# KiCad board GPDI_ULX3S_panel.kicad_pcb (continued)
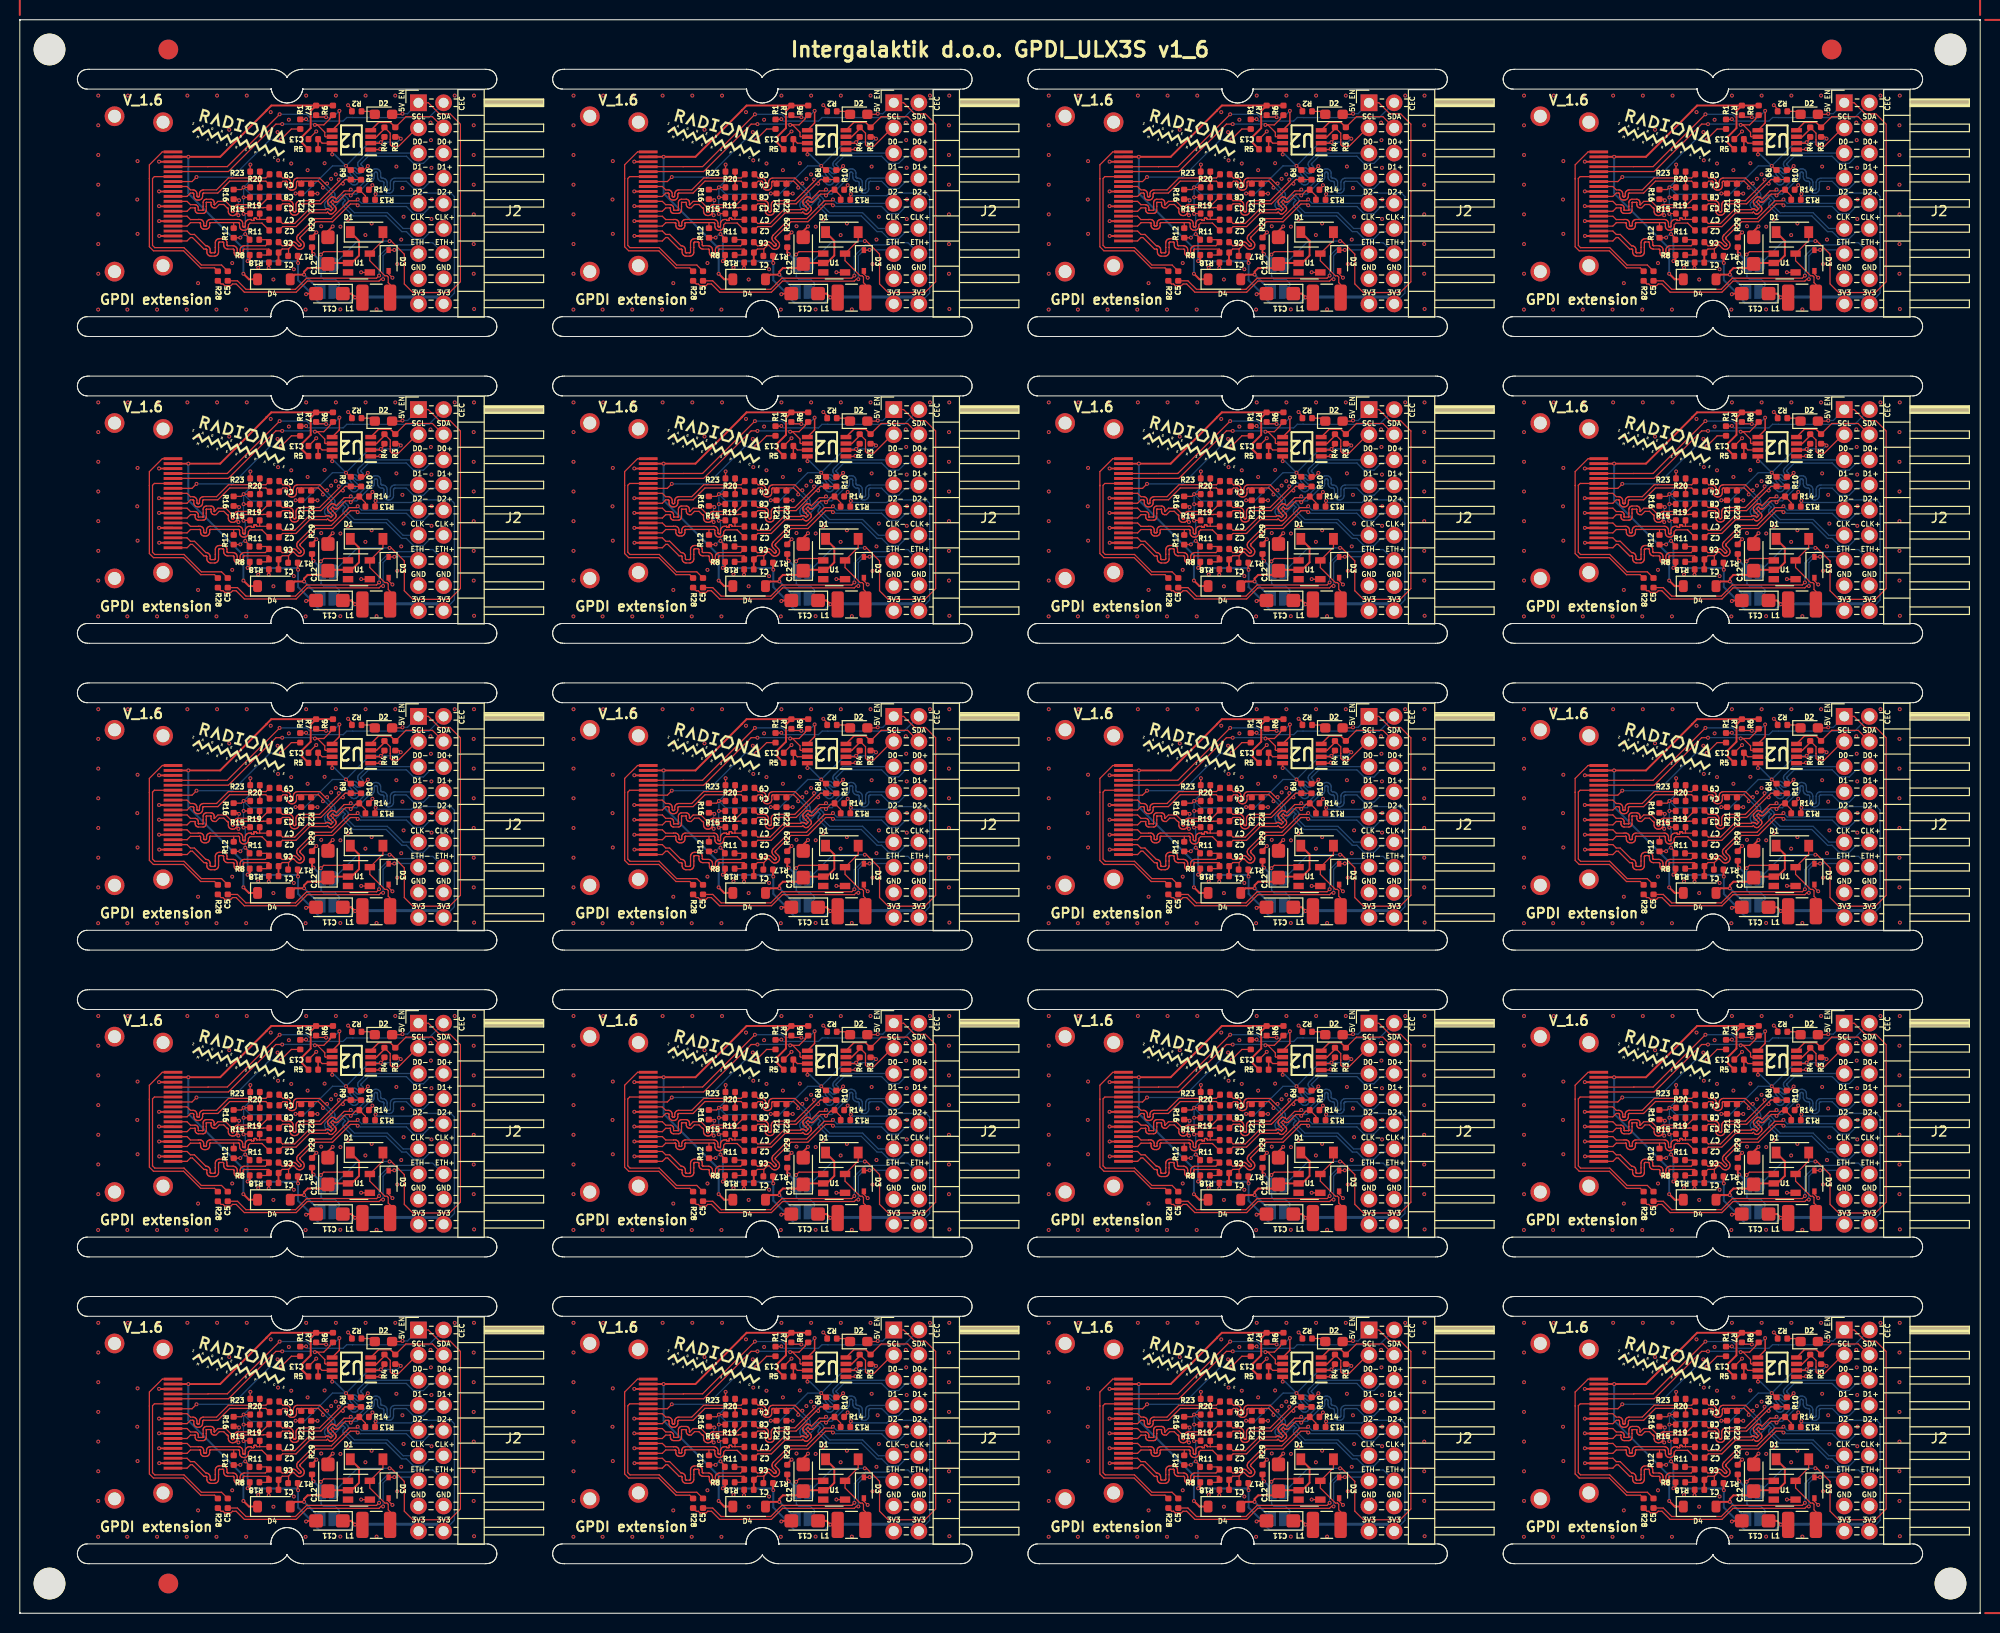
[diagram p0: board, top side]
## Routing (per net, layer and track width the routed paths; a pad name or vN(x,y) marks a point on that pad's centre or on a via; arc(x,y) is an arc through that point) (continued)
Board_7-GPDI_D0+: length 26.3
  Top w0.127: R10#19.1 178.46,113.85 R9#6.2 176.86,113.85 176.63,113.63 v1(176.63,113.44) 176.44,113.44 174.4,111.4 172.35,111.4 172.32,111.4 172.29,111.39 172.26,111.37 172.24,111.35 172.23,111.32 172.22,111.29 172.21,111.26 172.21,110.69 172.2,110.59 172.17,110.5 172.12,110.42 172.05,110.35 171.97,110.3 171.88,110.27 171.78,110.26 171.73,110.26 171.63,110.27 171.54,110.3 171.46,110.35 171.39,110.42 171.34,110.5 171.3,110.59 171.29,110.69 171.29,111.26 171.29,111.29 171.28,111.32 171.26,111.35 171.24,111.37 171.21,111.39 171.18,111.4 171.15,111.4 170.53,111.4 C3.1
  Bottom w0.127: v1(176.63,113.44) 176.63,113.63 176.85,113.85 176.87,113.87 176.9,113.88 176.93,113.89 176.96,113.89 176.99,113.88 177.02,113.87 177.05,113.85 177.46,113.43 177.54,113.37 177.62,113.33 177.72,113.31 177.82,113.31 177.91,113.33 178,113.37 178.07,113.43 178.11,113.47 178.17,113.55 178.21,113.63 178.24,113.73 178.24,113.83 178.21,113.92 178.17,114.01 178.11,114.08 177.7,114.5 177.68,114.52 177.66,114.55 177.66,114.58 177.66,114.61 177.66,114.64 177.68,114.67 177.7,114.7 177.71,114.71 177.73,114.72 177.75,114.72 177.77,114.72 177.79,114.72 177.81,114.71 177.82,114.7 177.95,114.57 178.02,114.51 178.1,114.48 178.18,114.46 178.27,114.46 178.35,114.48 178.43,114.51 178.5,114.57 178.6,114.67 178.66,114.74 178.7,114.82 178.71,114.9 178.71,114.99 178.7,115.07 178.66,115.15 178.6,115.22 178.47,115.35 178.46,115.36 178.45,115.38 178.45,115.4 178.45,115.42 178.45,115.44 178.46,115.46 178.47,115.47 179.22,116.22 183.04,116.22 183.76,115.49 184.76,115.49 185.48,116.22 186.48,116.22 J2#17.6
Board_7-GPDI_D0-: length 20.9
  Top w0.127: C8#9.1 170.53,111.72 171.18,111.72 171.28,111.71 171.37,111.68 171.45,111.63 171.52,111.56 171.57,111.48 171.6,111.39 171.61,111.29 171.61,110.72 171.62,110.69 171.63,110.66 171.64,110.63 171.66,110.61 171.69,110.59 171.72,110.58 171.75,110.58 171.78,110.58 171.81,110.59 171.84,110.61 171.86,110.63 171.88,110.66 171.89,110.69 171.89,110.72 171.89,111.29 171.9,111.39 171.94,111.48 171.99,111.56 172.06,111.63 172.14,111.68 172.23,111.71 172.33,111.72 174.27,111.72 176.22,113.67 v1(176.22,113.86)
  Bottom w0.127: v1(176.22,113.86) 176.41,113.86 176.64,114.09 176.72,114.15 176.8,114.19 176.9,114.22 177,114.22 177.09,114.19 177.18,114.15 177.25,114.09 177.67,113.68 177.69,113.66 177.72,113.64 177.75,113.64 177.78,113.64 177.81,113.64 177.84,113.66 177.87,113.68 177.89,113.7 177.9,113.73 177.91,113.76 177.91,113.79 177.9,113.82 177.89,113.85 177.87,113.88 177.45,114.29 177.39,114.37 177.35,114.45 177.33,114.55 177.33,114.65 177.35,114.74 177.39,114.83 177.45,114.9 177.49,114.94 177.56,114.99 177.63,115.03 177.72,115.05 177.8,115.05 177.89,115.03 177.97,114.99 178.03,114.94 178.16,114.81 178.18,114.8 178.2,114.79 178.22,114.78 178.24,114.78 178.26,114.79 178.28,114.8 178.29,114.81 178.36,114.88 178.37,114.9 178.38,114.91 178.39,114.93 178.39,114.95 178.38,114.97 178.37,114.99 178.36,115.01 178.23,115.14 178.18,115.21 178.14,115.28 178.12,115.37 178.12,115.45 178.14,115.54 178.18,115.62 178.23,115.68 179.08,116.53 J2#17.5
Board_7-GPDI_D1+: length 26.6
  Top w0.127: C2#5.1 170.54,109.1 171.9,109.1 173.29,110.49 174.99,110.49 175.08,110.58 175.21,110.46 175.26,110.42 175.32,110.39 175.39,110.37 175.46,110.37 175.52,110.39 175.58,110.42 175.63,110.46 175.86,110.68 175.9,110.74 175.93,110.8 175.95,110.86 175.95,110.93 175.93,110.99 175.9,111.06 175.86,111.11 175.62,111.35 175.63,111.36 175.41,111.58 175.61,111.78 175.73,111.66 175.78,111.61 175.85,111.59 175.91,111.57 175.98,111.57 176.04,111.59 176.1,111.61 176.16,111.66 176.89,112.39 177.29,112.39 v1(177.42,112.25) 177.91,112.74 178.19,112.74 R14#17.1 178.91,112.21 R13#13.2
  Bottom w0.127: 186.8,114 186.48,113.68 185.48,113.68 184.76,112.95 183.76,112.95 183.04,113.68 181.91,113.68 181.87,113.67 181.84,113.66 181.81,113.64 181.78,113.61 181.76,113.58 181.75,113.55 181.75,113.51 181.75,112.94 181.73,112.84 181.7,112.74 181.65,112.65 181.57,112.58 181.49,112.53 181.39,112.49 181.29,112.48 181.23,112.48 181.13,112.49 181.03,112.53 180.95,112.58 180.88,112.65 180.82,112.74 180.79,112.84 180.78,112.94 180.78,113.51 180.77,113.55 180.76,113.58 180.74,113.61 180.71,113.64 180.68,113.66 180.65,113.67 180.61,113.68 180.58,113.68 180.48,113.69 180.38,113.72 180.3,113.78 180.23,113.85 180.17,113.93 180.14,114.03 180.13,114.13 180.13,114.45 180.12,114.49 180.11,114.53 180.09,114.56 180.06,114.58 180.03,114.6 180,114.62 179.96,114.62 179.92,114.62 179.89,114.6 179.86,114.58 179.83,114.56 179.81,114.53 179.8,114.49 179.8,114.45 179.8,114.13 179.78,114.03 179.75,113.93 179.7,113.85 179.62,113.78 179.54,113.72 179.44,113.69 179.34,113.68 179.31,113.68 178.03,112.39 177.56,112.39 v1(177.42,112.25)
Board_7-GPDI_D1-: length 21
  Top w0.127: C7#3.1 170.54,109.42 171.77,109.42 173.16,110.81 174.86,110.81 174.87,110.82 174.92,110.86 174.98,110.89 175.05,110.91 175.12,110.91 175.18,110.89 175.24,110.86 175.3,110.82 175.42,110.7 175.62,110.9 175.4,111.12 175.41,111.13 175.17,111.37 175.13,111.42 175.1,111.48 175.08,111.55 175.08,111.62 175.1,111.68 175.13,111.74 175.17,111.79 175.39,112.02 175.45,112.06 175.51,112.09 175.57,112.11 175.64,112.11 175.71,112.09 175.77,112.06 175.82,112.02 175.94,111.89 176.76,112.71 177.29,112.71 v1(177.42,112.85)
  Bottom w0.127: 184.26,114 181.88,114 181.78,113.98 181.68,113.95 181.6,113.9 181.53,113.82 181.47,113.74 181.44,113.64 181.43,113.54 181.43,112.97 181.42,112.93 181.41,112.89 181.39,112.86 181.36,112.84 181.33,112.82 181.3,112.8 181.26,112.8 181.22,112.8 181.19,112.82 181.16,112.84 181.13,112.86 181.11,112.89 181.1,112.93 181.1,112.97 181.1,113.54 181.08,113.64 181.05,113.74 181,113.82 180.92,113.9 180.84,113.95 180.74,113.98 180.64,114 180.61,114 180.57,114 180.54,114.01 180.51,114.03 180.48,114.06 180.46,114.09 180.45,114.12 180.45,114.16 180.45,114.48 180.43,114.58 180.4,114.68 180.35,114.77 180.27,114.84 180.19,114.89 180.09,114.93 179.99,114.94 179.93,114.94 179.83,114.93 179.73,114.89 179.65,114.84 179.58,114.77 179.52,114.68 179.49,114.58 179.48,114.48 179.48,114.16 179.47,114.12 179.46,114.09 179.44,114.06 179.41,114.03 179.38,114.01 179.35,114 179.31,114 179.18,114 177.89,112.71 177.56,112.71 v1(177.42,112.85)
Board_7-GPDI_D2+: length 22.7
  Top w0.127: 171.14,106.84 170.5,106.84 C1#20.1 ; 171.14,106.84 171.14,106.19 R17#18.2 ; 171.14,106.84 171.49,107.19 171.51,107.21 171.54,107.22 171.57,107.23 171.6,107.23 171.63,107.22 171.66,107.21 171.69,107.19 171.95,106.92 172.03,106.86 172.12,106.82 172.21,106.79 172.31,106.79 172.4,106.82 172.49,106.86 172.57,106.92 172.6,106.96 172.67,107.03 172.71,107.12 172.73,107.21 172.73,107.31 172.71,107.41 172.67,107.49 172.6,107.57 172.34,107.84 172.32,107.86 172.3,107.89 172.3,107.92 172.3,107.95 172.3,107.98 172.32,108.01 172.34,108.04 173.89,109.59 175.59,109.59 177.39,111.39 177.99,111.39 v1(178.12,111.25)
  Top w0.2: R18#4.1 170.13,106.47 C1#20.1
  Bottom w0.127: J2#17.10 186.48,111.14 185.48,111.14 184.76,110.41 183.76,110.41 183.04,111.14 178.38,111.14 178.27,111.25 v1(178.12,111.25)
Board_7-GPDI_D2-: length 17.8
  Top w0.127: v1(178.12,111.85) 177.99,111.71 177.26,111.71 175.46,109.91 173.76,109.91 172.09,108.24 172.03,108.17 171.99,108.08 171.97,107.98 171.97,107.89 171.99,107.79 172.03,107.71 172.09,107.63 172.36,107.36 172.38,107.34 172.39,107.31 172.4,107.28 172.4,107.25 172.39,107.22 172.38,107.19 172.36,107.16 172.34,107.14 172.31,107.13 172.28,107.12 172.25,107.12 172.21,107.13 172.19,107.14 172.16,107.16 171.89,107.43 171.82,107.49 171.73,107.53 171.64,107.56 171.54,107.56 171.44,107.53 171.36,107.49 171.28,107.43 171.01,107.16 170.5,107.16 C6#12.1
  Bottom w0.127: v1(178.12,111.85) 178.52,111.45 J2#17.9
Board_7-GPDI_ETH+: length 25.7
  Top w0.127: C5#11.1 165.98,103.62 166.84,102.77 171.84,102.77 172.97,103.89 180.03,103.89 v1(180.29,104.15)
  Bottom w0.127: v1(180.29,104.15) 180.29,106.13 181.41,107.25 183.65,107.25 183.87,107.47 185.71,107.47 J2#17.14
Board_7-GPDI_ETH-: length 24.8
  Top w0.127: v1(181.82,106.75) 181.8,106.72 D3#2.1 ; v1(180.69,103.79) 180.48,103.79 180.29,103.6 173.03,103.6 171.91,102.48 166.68,102.48 165.85,103.31 165.48,103.31 165.31,103.14 164.69,103.14 164.52,103.31 164.32,103.31 R28#10.2
  Bottom w0.127: v1(180.69,103.79) 180.69,103.79 180.69,106.16 181.27,106.75 v1(181.82,106.75) 183.89,106.75 J2#17.13
Board_7-GPDI_SCL: length 21.1
  Top w0.127: U2#7.6 174.87,118.18 174.8,118.25 174.8,118.63 174.05,119.38 v1(173.8,119.38) 174.7,119.38 175.32,120 175.32,120.06 R6#8.2 ; v1(170.5,119.46) 169.86,119.46 165.07,114.67 159.48,114.67 P1#13.15
  Bottom w0.127: v1(173.8,119.38) 173.71,119.47 170.51,119.47 v1(170.5,119.46)
Board_7-GPDI_SDA: length 22.8
  Top w0.127: v1(174.93,120.16) 174.91,120.18 174.11,120.18 R7#17.2 ; P1#13.16 163.01,115.15 163.02,115.17 164.96,115.17 v1(170.24,120.45)
  Top w0.15: U2#7.5 176.27,119.57 v1(176.27,120.8)
  Bottom w0.127: v1(176.27,120.8) 175.58,120.1 174.99,120.1 v1(174.93,120.16) 174.92,120.17 173.25,120.17 172.97,120.45 v1(170.24,120.45)
Board_7-Net-(D1-A): length 8.1
  Top w0.127: L1#7.2 181.4,103.25 181.21,103.44 181.21,104.01 181.08,104.13 180.87,104.13 179.35,105.66 U1#10.5 180.67,107.7 D1#18.2
Board_7-Net-(D1-K): length 13.2
  Top w0.2: D1#18.1 178.26,107.66 178.26,106.18 177.51,105.42 U1#10.2 175.22,105.42 C12#14.1 174.7,104.91 173.07,104.91 172.71,104.55 v1(172.71,104.25) 171.78,104.25 D4#19.2
  Bottom w0.2: JP2#2.1 174.37,102.59 v1(172.71,104.25)
Board_7-Net-(D2-K): length 1.5
  Top w0.127: D2#12.1 179.55,120.75 R2#11.1
Board_7-Net-(U2-VREF2): length 2.6
  Top w0.127: C13#2.1 174.53,117.53 U2#7.7
  Top w0.15: R5#20.2 C13#2.1
Board_7-PMOD_SCL: length 8.1
  Top w0.127: 183.88,118.69 184.26,119.08 184.11,119.08 182.25,117.21 181.59,117.21 181.41,117.38 181.41,117.88 181.41,117.88 181.41,118.55 R4#3.2
  Top w0.15: U2#7.3 180.03,118.18 180.82,118.98 R4#3.2
Board_7-PMOD_SDA: length 8.8
  Top w0.127: 186.8,119.08 185.67,120.21 183,120.21 R3#9.2
  Top w0.15: R3#9.2 181.43,119.63 180.24,119.63 U2#7.4
Board_8-5V_ENABLE: length 54.8
  Top w0.127: v1(37.34,76.64) 37.51,76.64 38.83,75.32 38.83,72.31 39.7,71.44 43.41,71.44 44.5,72.53 44.5,88.45 43.46,89.49 42.39,89.49 41.26,90.61 J2#7.1 39.8,90.15 ; v1(38.65,89.51) 38.59,89.45 D2#3.2 ; U1#19.1 32.96,75.57 30.7,75.57 v1(30.41,75.28)
  Top w0.2: R29#3.1 29.51,75.48 v1(29.66,75.33)
  Bottom w0.127: v1(37.34,76.64) 34.12,76.64 JP1#18.1 ; v1(30.41,75.28) 30.41,75.01 30.42,75 JP1#18.2 30.43,74.25 30.43,73.03 30.44,73.03 30.68,72.79 31.86,72.79 32.26,72.39 32.26,72.13 JP2#16.2 ; v1(38.65,89.51) 39.16,89.51 J2#7.1
  Bottom w0.2: JP1#18.2 30.42,74.57 v1(29.66,75.33)
  Bottom w0.5: JP1#18.2 JP1#18.1
Board_8-+3V3: length 87.4
  Top w0.127: v1(35.93,81.38) 35.88,81.33 R13#12.1 ; R23#7.1 23.27,84.35 v1(23.29,84.37) ; v1(22.27,76.99) 22.26,76.97 R12#3.1 ; v1(22.77,77.35) 23.21,76.91 R11#16.1 ; R19#17.1 v1(22.6,81.06) ; v1(27.85,81.45) R21#19.1 ; v1(38.47,86.99) 38.3,87.17 R3#10.1 ; v1(36.47,86.63) 36.82,86.99 R4#4.1 ; v1(33.86,70.95) 33.88,70.93 L1#6.1 ; R16#17.1 22.38,81.85 v1(22.6,82.07) R20#15.1 ; R15#18.1 22.62,79.42 v1(22.59,79.39) ; R9#5.1 33.36,83.82 v1(32.94,84.24)
  Top w0.15: v1(36.47,86.63) 36.37,86.53 U2#3.2 ; U2#3.8 31.54,85.41 v1(31.55,85.4)
  Top w0.2: C11#4.1 33.48,71.33 v1(33.86,70.95) ; v1(23.01,74.62) 23.23,74.84 R8#7.1 ; v1(28.1,74.43) 28.07,74.46 R17#13.1
  Bottom w0.127: v1(22.6,82.07) 23.3,81.37 27.77,81.37 v1(27.85,81.45) 28.79,81.45 31.58,84.24 v1(32.94,84.24) 35.34,86.63 v1(36.47,86.63) 38.12,86.63 v1(38.47,86.99) ; v1(22.6,82.07) v1(22.6,81.06) 22.59,81.05 v1(22.59,79.39) 22.77,79.22 v1(22.77,77.35) 22.63,77.35 v1(22.27,76.99) ; v1(22.6,82.07) 23.29,82.75 v1(23.29,84.37) ; v1(35.93,81.38) 36.08,81.23 39.57,81.23 39.83,81.5 43.54,81.5 43.89,81.14 43.89,71.38 J2#7.18
  Bottom w0.15: v1(31.55,85.4) 31.78,85.4 v1(32.94,84.24)
  Bottom w0.2: v1(22.77,77.35) 23.01,77.11 v1(23.01,74.62) 23.03,74.6 27.93,74.6 v1(28.1,74.43) 28.1,72.68 29.65,71.14 29.65,71 30.24,70.41 33.32,70.41 v1(33.86,70.95)
  Bottom w0.3: J2#7.18 42.11,70.99 33.9,70.99 v1(33.86,70.95)
Board_8-+5V: length 39.3
  Top w0.2: R7#19.1 29.38,89.79 29.38,88.06 28.53,87.2 28.53,86.55 R5#18.1 ; R7#19.1 R6#11.1 ; R7#19.1 25.4,90.33 24.92,89.85 24.92,89.83 20.24,85.15 v1(17.02,85.15) P1#11.18 ; D4#12.1 23.14,72.78 v1(22.58,73.34)
  Bottom w0.2: v1(17.02,85.15) 17.02,81.46 22.58,75.9 v1(22.58,73.34)
Board_8-/CEC: length 15.1
  Top w0.127: v1(17.85,83.11) 17.39,82.65 P1#11.13 ; v1(26.37,86.91) 27.43,87.97 R1#12.1
  Bottom w0.127: v1(26.37,86.91) 25.28,86.91 21.48,83.11 v1(17.85,83.11)
Board_8-/CLK+: length 12.1
  Top w0.127: C4.2 24.85,82.7 21.2,82.7 20,81.5 18.58,81.5 18.55,81.49 18.53,81.48 18.51,81.47 18.49,81.45 18.48,81.43 18.47,81.4 18.46,81.38 18.46,81.19 18.45,81.1 18.42,81.02 18.37,80.94 18.31,80.87 18.23,80.82 18.14,80.79 18.05,80.78 17.98,80.78 17.89,80.79 17.8,80.82 17.73,80.87 17.66,80.94 17.61,81.02 17.58,81.1 17.57,81.19 17.57,81.38 17.57,81.4 17.56,81.43 17.55,81.45 17.53,81.47 17.51,81.48 17.48,81.49 17.45,81.5 17.24,81.5 16.89,81.15 P1#11.10
  Top w0.15: R20#15.2 24.24,82.67
Board_8-/CLK-: length 12.2
  Top w0.127: 24.26,83.02 21.07,83.02 19.87,81.81 18.56,81.81 18.46,81.8 18.38,81.77 18.3,81.72 18.23,81.66 18.19,81.58 18.16,81.49 18.14,81.4 18.14,81.22 18.14,81.19 18.13,81.17 18.12,81.15 18.1,81.13 18.08,81.11 18.05,81.1 18.03,81.1 18.01,81.1 17.98,81.1 17.96,81.11 17.93,81.13 17.92,81.15 17.9,81.17 17.89,81.19 17.89,81.22 17.89,81.4 17.88,81.49 17.85,81.58 17.8,81.66 17.74,81.72 17.66,81.77 17.57,81.8 17.48,81.81 17.24,81.81 16.89,82.15 P1#11.12 ; 24.26,83.02 24.85,83.02 C9#9.2 ; 24.26,83.02 24.24,83.03 R23#7.2
Board_8-/D0+: length 15.7
  Top w0.127: v1(22.08,79.25) 21.95,79.38 21.86,79.38 ; C3#14.2 24.59,80.03 24.57,80.01 22.66,80.01 22.63,80 22.6,79.99 22.58,79.98 22.56,79.96 22.54,79.93 22.53,79.91 22.53,79.88 22.53,79.87 22.53,79.84 22.52,79.82 22.5,79.79 22.48,79.77 22.46,79.76 22.43,79.75 22.4,79.75 22.37,79.75 22.35,79.76 22.32,79.77 22.3,79.79 22.29,79.82 22.28,79.84 22.28,79.87 22.28,79.88 22.27,79.91 22.26,79.93 22.25,79.96 22.23,79.98 22.2,79.99 22.18,80 22.15,80.01 22.08,80.01 22.05,80 22.02,79.99 22,79.98 21.98,79.96 21.96,79.93 21.95,79.91 21.95,79.88 21.95,79.64 21.94,79.55 21.91,79.46 21.86,79.38 ; 21.86,79.38 21.79,79.31 21.71,79.26 21.62,79.23 21.53,79.22 21.48,79.22 21.38,79.23 21.3,79.26 21.22,79.31 21.15,79.38 21.1,79.46 21.07,79.55 21.06,79.64 21.06,79.88 21.05,79.91 21.04,79.93 21.03,79.96 21.01,79.98 20.99,79.99 20.96,80 20.93,80.01 20.6,80.34 20.14,80.34 19.8,80 19.65,80 19.58,80 19.5,80.03 19.44,80.07 19.39,80.12 19.35,80.19 19.32,80.26 19.31,80.33 19.31,80.51 19.31,80.52 19.31,80.53 19.3,80.54 19.3,80.54 19.29,80.55 19.28,80.55 19.27,80.55 18.87,80.55 18.86,80.55 18.85,80.55 18.85,80.54 18.84,80.54 18.84,80.53 18.83,80.52 18.83,80.51 18.83,80.15 18.83,79.78 18.82,79.7 18.8,79.63 18.76,79.57 18.7,79.51 18.64,79.47 18.57,79.45 18.49,79.44 18.05,79.44 17.97,79.45 17.9,79.47 17.84,79.51 17.79,79.57 17.75,79.63 17.72,79.7 17.71,79.78 17.71,79.96 17.71,79.97 17.71,79.97 17.7,79.98 17.7,79.99 17.69,79.99 17.68,79.99 17.67,80 17.24,80 16.89,79.65 P1#11.7 ; R16#17.2 22.03,80.88 v1(22.15,80.76)
  Bottom w0.127: v1(22.08,79.25) 22.08,80.7 v1(22.15,80.76)
Board_8-/D0-: length 14.1
  Top w0.127: P1#11.9 16.89,80.65 17.24,80.31 17.69,80.31 17.77,80.31 17.84,80.28 17.9,80.24 17.96,80.19 18,80.12 18.02,80.05 18.03,79.98 18.03,79.8 18.03,79.79 18.03,79.78 18.04,79.77 18.05,79.77 18.05,79.76 18.06,79.76 18.07,79.76 18.47,79.76 18.48,79.76 18.49,79.76 18.5,79.77 18.5,79.77 18.51,79.78 18.51,79.79 18.51,79.8 18.51,80.15 18.51,80.15 18.51,80.53 18.52,80.61 18.55,80.68 18.59,80.74 18.64,80.8 18.7,80.84 18.78,80.86 18.85,80.87 19.29,80.87 19.37,80.86 19.44,80.84 19.51,80.8 19.56,80.74 19.6,80.68 19.62,80.61 19.63,80.53 19.63,80.35 19.63,80.34 19.64,80.34 19.64,80.33 19.65,80.32 19.65,80.32 19.66,80.32 19.67,80.31 20.01,80.65 20.8,80.65 21.28,80.17 21.33,80.09 21.37,80 21.38,79.91 21.38,79.67 21.38,79.64 21.39,79.61 21.4,79.59 21.42,79.57 21.45,79.55 21.48,79.54 21.5,79.54 21.53,79.54 21.56,79.55 21.58,79.57 21.6,79.59 21.62,79.61 21.63,79.64 21.63,79.67 21.63,79.91 21.64,80 21.67,80.09 21.72,80.17 21.79,80.23 21.87,80.28 21.96,80.31 22.05,80.33 24.39,80.33 C8#16.2 25.13,81.06
  Top w0.15: 24.2,80.33 24.22,80.34 R19#17.2
Board_8-/D1+: length 12.6
  Top w0.127: C2#17.2 24.45,78.46 23.26,78.46 23.09,78.29 23.09,78.15 23.08,78.05 23.05,77.97 23,77.89 22.93,77.82 22.85,77.77 22.76,77.74 22.67,77.73 22.62,77.73 22.52,77.74 22.44,77.77 22.36,77.82 22.29,77.89 22.24,77.97 22.21,78.05 22.2,78.15 22.2,78.38 22.19,78.41 22.18,78.43 22.17,78.46 22.15,78.48 22.13,78.49 22.1,78.5 22.07,78.51 19.27,78.51 19.25,78.5 19.23,78.5 19.21,78.49 19.19,78.47 19.18,78.45 19.18,78.43 19.17,78.41 19.17,78.23 19.16,78.14 19.14,78.06 19.09,77.99 19.03,77.93 18.95,77.88 18.87,77.85 18.79,77.84 18.64,77.84 18.56,77.85 18.48,77.88 18.4,77.93 18.34,77.99 18.29,78.06 18.27,78.14 18.26,78.23 18.26,78.41 18.25,78.43 18.25,78.45 18.24,78.47 18.22,78.49 18.2,78.5 18.18,78.5 18.16,78.51 18.15,78.5 17.24,78.5 16.89,78.15 P1#11.4 ; R12#3.2 21.6,78.49
Board_8-/D1-: length 12.8
  Top w0.127: R15#18.2 24.23,78.83 ; 24.23,78.83 23.97,78.83 23.95,78.83 23.94,78.83 23.92,78.84 23.91,78.85 23.9,78.87 23.9,78.88 23.9,78.91 23.89,78.93 23.88,78.94 23.87,78.96 23.86,78.96 23.84,78.97 23.82,78.97 23.72,78.97 23.7,78.97 23.68,78.96 23.67,78.96 23.66,78.94 23.65,78.93 23.65,78.91 23.64,78.9 23.64,78.78 23.64,78.76 23.64,78.75 23.63,78.74 23.62,78.74 23.62,78.73 23.6,78.73 23.59,78.73 23.44,78.73 23.43,78.73 23.42,78.73 23.41,78.74 23.4,78.74 23.39,78.75 23.39,78.76 23.39,78.79 23.38,78.8 23.38,78.81 23.37,78.81 23.36,78.82 23.35,78.82 23.34,78.83 23.19,78.83 23.1,78.81 23.01,78.78 22.93,78.73 22.86,78.67 22.81,78.59 22.78,78.5 22.77,78.41 22.77,78.17 22.77,78.15 22.76,78.12 22.74,78.09 22.72,78.07 22.7,78.06 22.67,78.05 22.64,78.05 22.62,78.05 22.59,78.06 22.56,78.07 22.54,78.09 22.53,78.12 22.52,78.15 22.52,78.17 22.52,78.41 22.51,78.5 22.47,78.59 22.42,78.67 22.36,78.73 22.28,78.78 22.19,78.81 22.1,78.83 19.24,78.83 19.16,78.82 19.08,78.79 19,78.74 18.94,78.68 18.89,78.61 18.87,78.52 18.86,78.44 18.86,78.25 18.85,78.23 18.85,78.21 18.84,78.2 18.82,78.18 18.8,78.17 18.78,78.16 18.76,78.16 18.67,78.16 18.65,78.16 18.63,78.17 18.61,78.18 18.59,78.2 18.58,78.21 18.58,78.23 18.57,78.25 18.57,78.44 18.56,78.52 18.54,78.61 18.49,78.68 18.43,78.74 18.35,78.79 18.27,78.82 18.19,78.83 18.03,78.83 18.02,78.81 17.24,78.81 16.89,79.15 P1#11.6 ; 24.23,78.83 25.16,78.83 C7.2
Board_8-/D2+: length 15
  Top w0.127: R8#7.2 24.92,75.23 C1#16.2 25.17,75.8 25.14,75.83 22.65,75.83 22.62,75.82 22.6,75.79 22.58,75.77 22.57,75.74 22.57,75.71 22.57,75.5 22.56,75.4 22.52,75.31 22.47,75.23 22.4,75.16 22.32,75.1 22.23,75.07 22.13,75.06 22.08,75.06 21.98,75.07 21.89,75.1 21.81,75.16 21.74,75.23 21.69,75.31 21.66,75.4 21.64,75.5 21.64,75.71 21.64,75.74 21.63,75.77 21.61,75.79 21.59,75.82 21.56,75.83 21.01,75.83 20.91,75.84 20.83,75.88 20.75,75.92 20.68,75.99 20.63,76.07 20.6,76.16 20.59,76.25 20.59,76.44 20.59,76.47 20.58,76.49 20.57,76.51 20.55,76.53 20.53,76.54 20.51,76.55 20.48,76.55 20.18,76.55 20.16,76.55 20.14,76.54 20.12,76.53 20.1,76.51 20.09,76.49 20.08,76.47 20.07,76.44 20.07,76 20.07,76 20.07,75.53 20.06,75.44 20.03,75.35 19.98,75.27 19.92,75.21 19.84,75.16 19.75,75.13 19.66,75.12 19.31,75.12 19.21,75.13 19.13,75.16 19.05,75.21 18.98,75.27 18.93,75.35 18.9,75.44 18.89,75.53 18.89,75.73 18.89,75.75 18.88,75.77 18.87,75.79 18.85,75.81 18.83,75.82 18.81,75.83 18.78,75.83 18.6,75.83 17.43,77 17.24,77 16.89,76.65 P1#11.1
Board_8-/D2-: length 14.8
  Top w0.127: P1#11.3 16.89,77.65 17.24,77.31 17.64,77.31 18.78,76.17 18.81,76.17 18.9,76.16 18.99,76.13 19.07,76.08 19.13,76.01 19.18,75.93 19.21,75.84 19.22,75.75 19.22,75.56 19.23,75.54 19.23,75.51 19.25,75.49 19.26,75.48 19.29,75.46 19.31,75.45 19.33,75.45 19.63,75.45 19.66,75.45 19.68,75.46 19.7,75.48 19.72,75.49 19.73,75.51 19.74,75.54 19.74,75.56 19.74,76 19.74,76.47 19.75,76.56 19.78,76.65 19.83,76.73 19.9,76.79 19.98,76.84 20.06,76.87 20.16,76.88 20.51,76.88 20.6,76.87 20.69,76.84 20.77,76.79 20.83,76.73 20.88,76.65 20.91,76.56 20.92,76.47 20.92,76.27 20.93,76.25 20.94,76.23 20.95,76.21 20.97,76.19 20.99,76.18 21.01,76.17 21.03,76.17 21.53,76.17 21.63,76.16 21.72,76.12 21.8,76.07 21.87,76 21.92,75.92 21.95,75.83 21.96,75.73 21.96,75.52 21.97,75.49 21.98,75.46 21.99,75.43 22.02,75.41 22.04,75.39 22.07,75.38 22.11,75.38 22.14,75.38 22.17,75.39 22.19,75.41 22.22,75.43 22.23,75.46 22.24,75.49 22.25,75.52 22.25,75.73 22.26,75.83 22.29,75.92 22.34,76 22.41,76.07 22.49,76.12 22.59,76.16 22.68,76.17 24.8,76.17 C6#19.2 24.91,76.78 R11#16.2
Board_8-/ETH+: length 17.6
  Top w0.127: C5.2 20.38,74.22 18.34,74.22 16.58,75.98 13.63,75.98 13.4,76.2 13.4,82.97 13.59,83.15 P1#11.14
Board_8-/ETH-: length 19.2
  Top w0.127: P1#11.19 14.39,85.65 13.09,84.35 13.09,82.93 ; R28#7.1 19.67,73.93 18.27,73.93 16.54,75.66 13.5,75.66 13.09,76.07 13.09,82.93 ; 13.09,82.93 13.09,82.97
Board_8-GND: length 17.5
  Top w0.127: v1(35.61,82.29) 35.61,82.19 R14#14.2 ; R10#16.2 34.75,83.82 v1(35.15,84.22) ; R2#5.2 33.54,89.98 v1(33.15,90.37) ; v1(29.94,87.72) 29.94,87.72 C13#16.2 ; v1(37.63,72.94) 37.25,73.33 D3#6.2 ; R22#20.2 30.07,81.44 v1(30.07,81.44) ; v1(34.47,73.49) 34.49,73.47 U1#19.4
  Top w0.15: v1(36.4,85.94) 36.35,85.88 U2#3.1
  Top w0.2: v1(25.14,73.93) 25.16,73.94 R18#14.2 ; P1#11.8 14.08,80.15 v1(14.06,80.18) ; v1(31.6,78.12) 31.12,77.64 C12#17.2 ; P1#11.11 14.07,81.65 v1(14.06,81.66) ; P1#11.5 14.08,78.65 v1(14.07,78.66) ; v1(29.95,77.52) 29.51,77.08 R29#3.2 ; v1(14.06,84.67) 14.07,84.65 P1#11.17 ; P1#11.2 14.08,77.15 v1(14.08,77.16) ; v1(28.91,71.27) 28.97,71.33 C11#4.2
  In1.Cu w0.5: 40.38,72.72 40.26,72.84
  vias: v1(7.92,91.34) v1(7.92,88.34) v1(7.92,85.34) v1(7.92,82.34) v1(7.92,79.34) v1(7.92,76.34) v1(7.92,73.34) v1(7.91,69.72) v1(10.92,91.34) v1(10.86,69.72) v1(11.89,84.72) v1(11.86,80.84) v1(11.89,77.37) v1(13.92,91.34) v1(13.86,69.72) v1(16.92,91.34) v1(16.86,69.72) v1(18.02,87.97) v1(18,72.39) v1(19.92,91.34) v1(19.86,69.72) v1(21.15,87.89) v1(21.45,74.42) v1(22.92,91.34) v1(22.86,69.72) v1(24.08,73.94) v1(25.34,89.67) v1(25.61,72.76) v1(26.03,87.65) v1(26.08,84.8) v1(27.17,88.9) v1(27.41,84.48) v1(27.68,73.79) v1(28.92,91.34) v1(28.86,69.72) v1(29.07,83.81) v1(30.44,78.14) v1(30.78,84.51) v1(31.44,82.93) v1(31.92,91.34) v1(31.91,83.38) v1(32.38,78.1) v1(32.37,69.74) v1(33.14,78.81) v1(34.92,91.34) v1(34.9,77.25) v1(35.53,78.42) v1(36.03,69.74) v1(37.92,91.34) v1(38.03,84.17) v1(38.12,74.32) v1(38.52,76.79) v1(38.64,82) v1(38.76,79.1) v1(41.48,88.61) v1(41.52,86.84) v1(41.57,84.05) v1(41.6,80.85) v1(41.58,78.87) v1(43.92,91.34) v1(45.84,88.34) v1(45.84,85.34) v1(45.84,82.34) v1(45.84,79.34) v1(45.84,76.34) v1(45.84,73.34) v1(45.87,91.34) v1(45.88,69.78)
Board_8-GPDI_CEC: length 15.3
  Top w0.127: R1#12.2 28.89,88.94 v1(28.91,88.96)
  Bottom w0.127: v1(28.91,88.96) 29.1,88.77 32.66,88.77 33.02,89.13 33.6,89.13 33.61,89.12 41.31,89.12 J2#7.2
Board_8-GPDI_CLK+: length 24.8
  Top w0.127: 28.45,82.69 29.43,82.69 ; 28.45,82.69 28.42,82.67 R21#19.2 ; 28.45,82.69 28.09,82.69 28.06,82.69 28.03,82.68 28,82.66 27.98,82.64 27.96,82.61 27.95,82.58 27.95,82.55 27.95,82.22 27.94,82.12 27.9,82.03 27.85,81.95 27.78,81.88 27.7,81.83 27.61,81.8 27.51,81.79 27.46,81.79 27.36,81.8 27.27,81.83 27.19,81.88 27.12,81.95 27.07,82.03 27.04,82.12 27.03,82.22 27.03,82.55 27.02,82.58 27.01,82.61 27,82.64 26.97,82.66 26.95,82.68 26.92,82.69 26.89,82.69 26.57,82.69 C4.1 ; 29.43,82.69 30.16,82.69 30.62,82.23 v1(30.62,82.04) ; 29.43,82.69 R22#20.1
  Bottom w0.127: 42.8,77.92 42.48,77.6 41.48,77.6 40.76,76.87 39.76,76.87 39.04,77.6 38.58,77.6 36.99,79.19 33.66,79.19 32.73,80.12 32.68,80.18 32.65,80.25 32.63,80.32 32.63,80.39 32.65,80.47 32.68,80.53 32.73,80.59 32.85,80.72 32.86,80.72 32.86,80.73 32.86,80.74 32.86,80.75 32.86,80.75 32.86,80.76 32.85,80.77 32.67,80.95 32.66,80.96 32.65,80.96 32.65,80.96 32.64,80.96 32.63,80.96 32.63,80.96 32.62,80.95 31.59,79.93 31.51,79.86 31.42,79.82 31.32,79.8 31.22,79.8 31.12,79.82 31.03,79.86 30.95,79.93 30.91,79.97 30.85,80.05 30.8,80.14 30.78,80.24 30.78,80.34 30.8,80.44 30.85,80.53 30.91,80.61 31.46,81.16 31.48,81.19 31.5,81.22 31.5,81.26 31.5,81.29 31.5,81.33 31.48,81.36 31.46,81.39 30.81,82.04 v1(30.62,82.04)
Board_8-GPDI_CLK-: length 21
  Top w0.127: v1(31.03,82.46) 30.84,82.46 30.29,83.01 28.06,83.01 27.96,83 27.87,82.97 27.79,82.92 27.72,82.85 27.67,82.77 27.64,82.68 27.63,82.58 27.63,82.25 27.62,82.21 27.61,82.18 27.6,82.16 27.57,82.14 27.55,82.12 27.52,82.11 27.49,82.1 27.46,82.11 27.43,82.12 27.4,82.14 27.38,82.16 27.36,82.18 27.35,82.21 27.35,82.25 27.35,82.58 27.34,82.68 27.3,82.77 27.25,82.85 27.18,82.92 27.1,82.97 27.01,83 26.91,83.01 26.57,83.01 C9#9.1
  Bottom w0.127: 40.26,77.92 38.71,77.92 37.12,79.51 33.79,79.51 32.97,80.33 32.96,80.34 32.96,80.35 32.96,80.35 32.96,80.36 32.96,80.37 32.96,80.37 32.97,80.38 33.09,80.51 33.14,80.57 33.17,80.63 33.19,80.71 33.19,80.78 33.17,80.85 33.14,80.92 33.09,80.98 32.88,81.19 32.82,81.24 32.75,81.27 32.68,81.29 32.61,81.29 32.53,81.27 32.47,81.24 32.41,81.19 31.39,80.17 31.36,80.15 31.33,80.13 31.29,80.13 31.25,80.13 31.22,80.13 31.18,80.15 31.15,80.17 31.13,80.2 31.12,80.24 31.11,80.27 31.11,80.31 31.12,80.34 31.13,80.38 31.15,80.41 31.7,80.95 31.77,81.03 31.81,81.13 31.83,81.23 31.83,81.33 31.81,81.43 31.77,81.52 31.7,81.6 31.03,82.27 v1(31.03,82.46)